# Altium PCB old PT1000_16CH.PCBDOC (part 4 of 5)
Units mil, origin at the board's own origin, x right, y up, seen from the top; angles counter-clockwise.
Board outline 8409.08 x 3937.01 mil, 4 copper layers (TOP, G1, L2, BOT), stack 61.024 mil thick; 557 components, 501 nets, 2175 pads, 416 vias.
Unrouted connection lines stored in the file: 636.
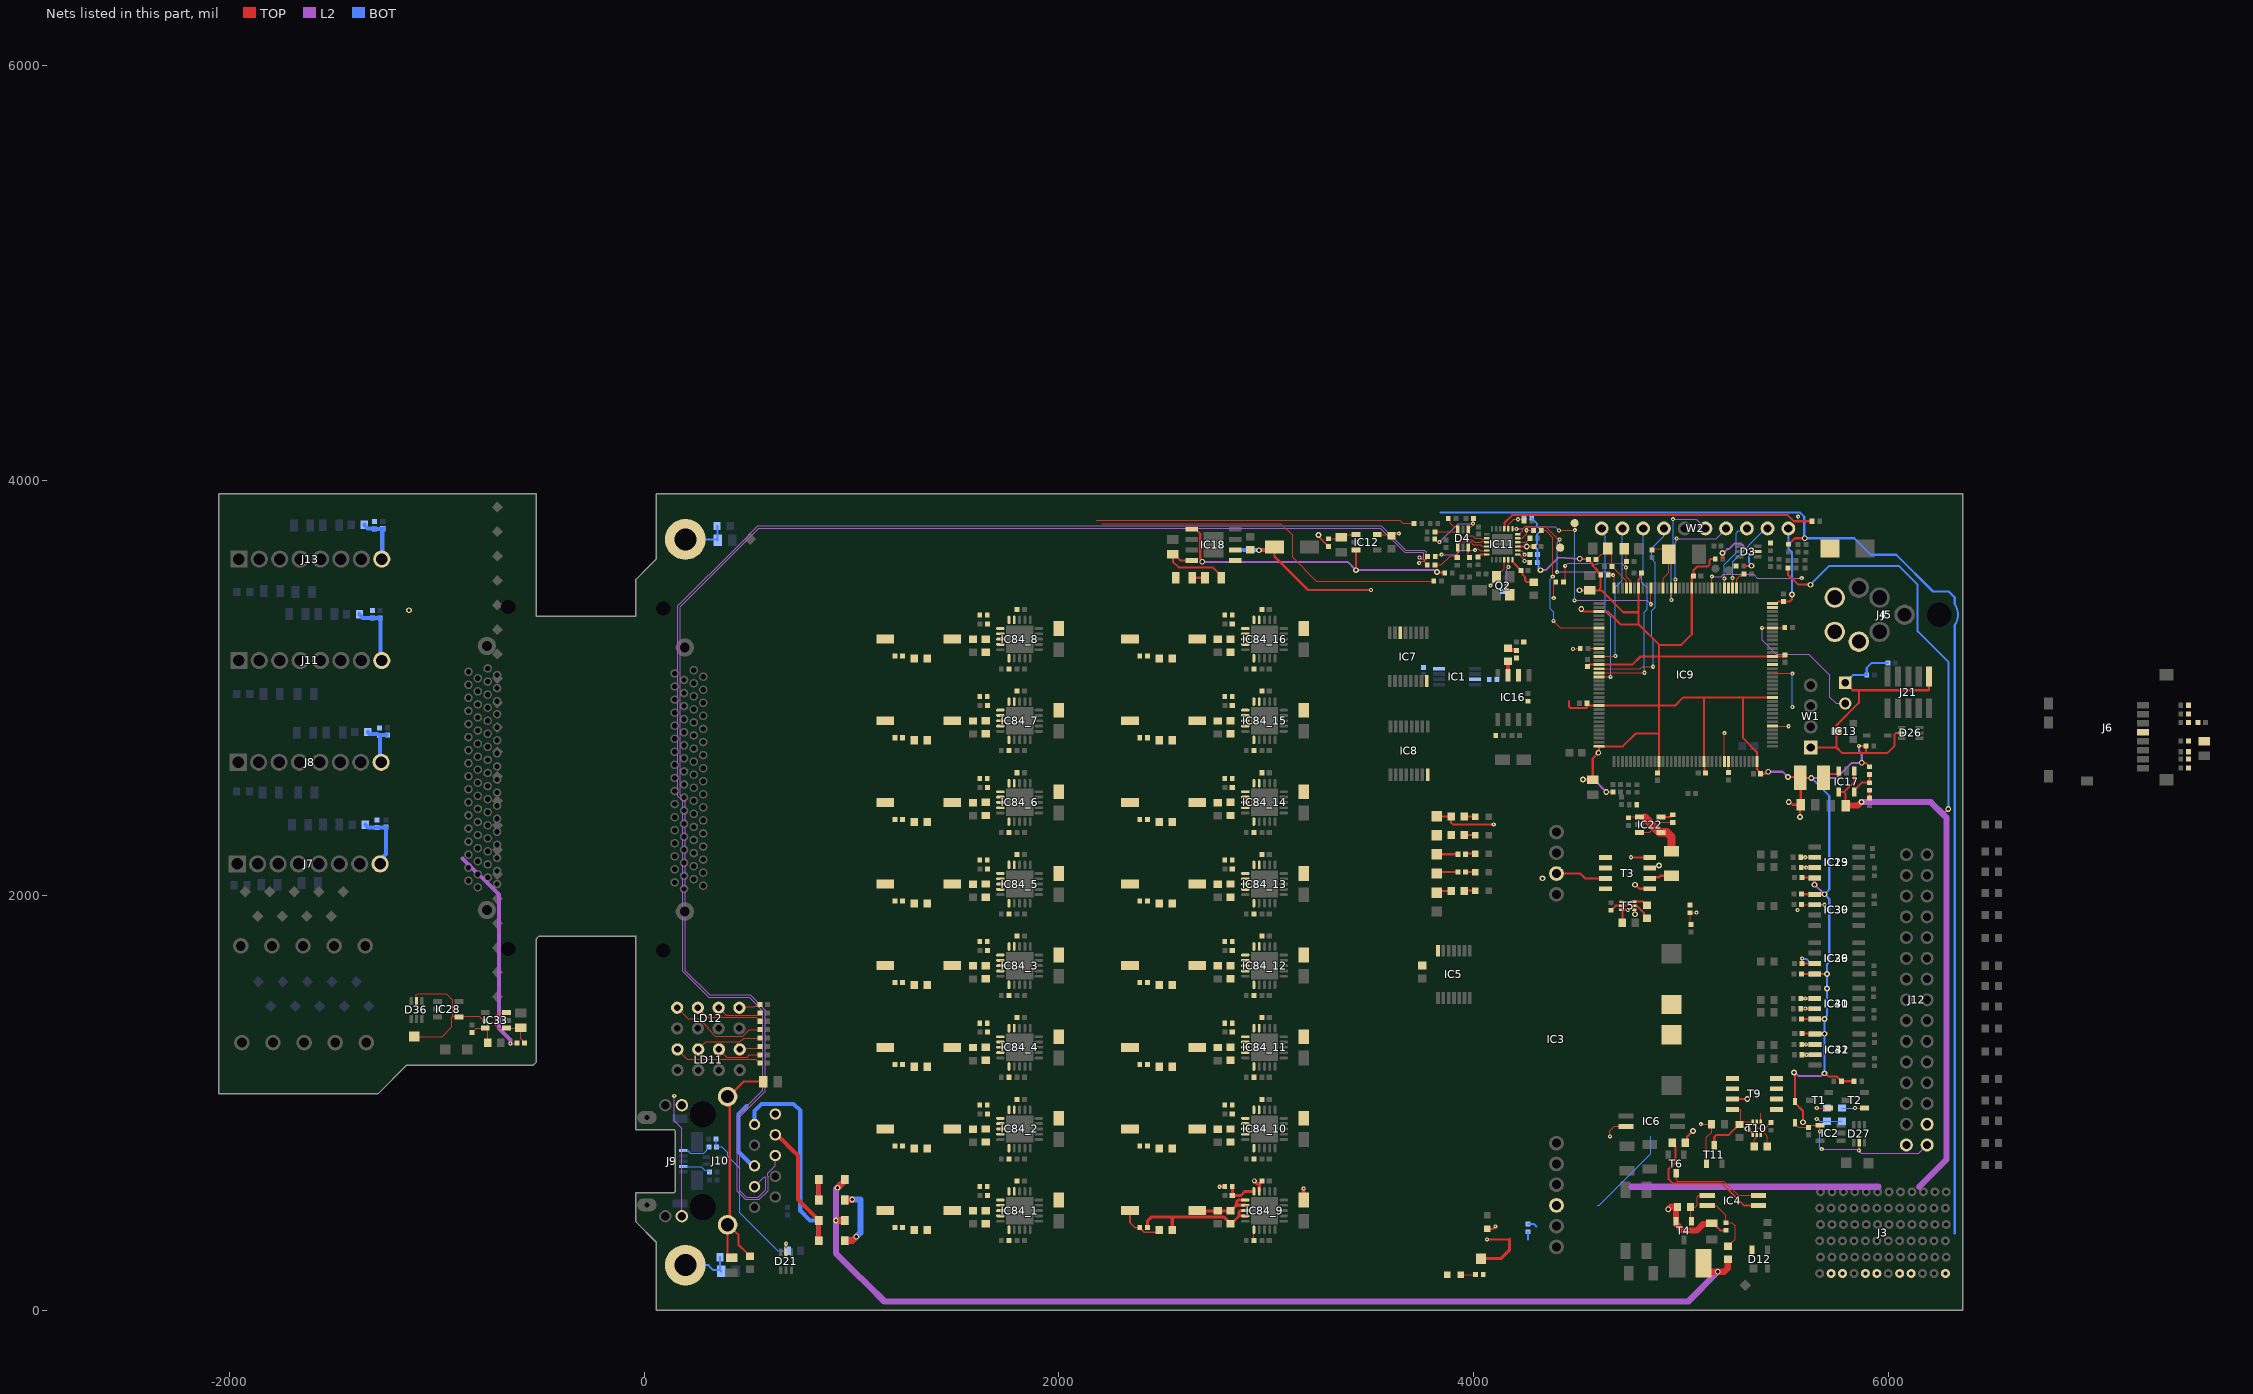
[diagram p6: the nets of this part, all layers, seen from the top]

## Via types
v1: diameter 19.68, hole 7.87, TOP to BOT, tented both sides, 335 vias
v2: diameter 27.56, hole 15.75, TOP to BOT, tented both sides, 56 vias
v3: diameter 23.62, hole 11.81, TOP to BOT, 10 vias
v4: diameter 19.68, hole 7.87, TOP to BOT, 5 vias
v5: diameter 23.62, hole 11.81, TOP to BOT, tented both sides, 5 vias
v6: diameter 25.98, hole 12.99, TOP to BOT, tented both sides, 5 vias

## Nets (pads, with @x,y where several pads share a name; then routed paths per layer and width w, separated by ;. In a path a pad name is that pad's centre, name@x,y a point inside that pad or via, vN(x,y) a via of type N, cw(c..) or ccw(c..) an arc to the next point about the centre after c; other vN are vias at no path point) (continued)
NetC22_1: C22.1 IC9.24 Q1.2 | length 269.4
  TOP w5: C22.1@4859.66,3665.62 4865.3,3671.26 4897.2,3671.26 4915.4,3671.26 Q1.2@4941.62,3645.05 4940.94,3644.38 4940.94,3555.12 4914.48,3528.65 IC9.24@4914.48,3482.03
NetC23_1: C23.1 C28.2 IC9.33 L5.1 | length 307.4
  TOP w5: L5.1@4591.05,3620.12 4619.48,3648.54 4641.39,3648.54 C28.2@4651.36,3658.51 ; C28.2@4646.53,3673.27 4651.36,3668.45 C28.2@4651.36,3658.51 ; IC9.33@4737.32,3482.03 4737.32,3516.49 C23.1@4667.2,3586.61 4667.2,3642.67 4666.67,3643.19 4666.67,3647.23 4655.39,3658.51 C28.2@4651.36,3658.51
NetC24_1: C24.1 C25.2 IC9.32 R70.1 | length 593
  TOP w5: R70.1@4433.88,3510.83 4441.87,3518.82 v1(4441.87,3589.57) ; C25.2@4726.42,3671.71 4737.32,3660.82 4737.32,3611.49 4734.58,3608.76 v1@4734.58,3583.66 ; v1(4734.58,3581.8) 4737.32,3579.06 4737.32,3537.4 4757,3517.72 IC9.32@4757,3482.03
  L2 w5: v1(4441.87,3589.57) 4454.8,3602.49 4458.94,3602.49 4562.41,3601.2 4585.87,3598.17 ccw(c4588.54,3619.28) 4600.87,3601.94 4712.68,3603.69 v1(4734.58,3581.8)
NetC27_1: C27.1 R96.2 | length 37
  TOP w20: R96.2@4172.83,3186.42 4174.8,3186.42 4177.91,3183.31 4205.47,3183.31 C27.1@4207.68,3181.1
NetC36_2: C36.2 IC11.4 Q2.3 | length 202.5
  TOP w5: v1(4082.4,3494.09) 4093.57,3505.27 4093.57,3519.96 Q2.3@4111.01,3537.4 4111.01,3542.32 4131.15,3562.46 4135.35,3562.46 4148.41,3575.52 IC11.4@4148.41,3618.11
  BOT w5: v1@4086.41,3498.04 C36.2@4120.85,3532.48
NetC64_1: C64.1 IC9.6 | length 90.1
  TOP w5: IC9.6@5268.81,3482.03 5268.81,3525.07 5284.72,3540.98 5295.52,3540.98 C64.1@5305.23,3550.68
NetC65_2: C65.2 IC11.5 Q2.1 | length 214.3
  TOP w5: v1(4160.14,3494.09) 4160.14,3464.65 Q2.1@4174,3450.79 ; v1(4168.1,3583.86) IC11.5@4168.1,3618.11
  L2 w5: v1(4160.14,3494.09) 4160.14,3571.93 4168.1,3579.88 v1(4168.1,3583.86)
  BOT w5: C65.2@4139.35,3464.78 4157.33,3482.76 4157.33,3491.28 v1(4160.14,3494.09)
NetC87_2: C87.2 C100.2 IC11.6 | length 169.2
  TOP w10: IC11.6@4187.78,3618.11 4188.3,3617.6 4188.3,3609.53 4204.61,3593.21 4204.61,3591.44 4235.34,3560.71 4235.34,3548.37 4249.48,3534.23 4249.48,3518.14 4256.8,3510.83 C87.2@4290.15,3510.83
NetC102_1: C102.1 C103.1 J10.S1 J10.S2 R135.2 | length 1200.9
  TOP w10: J10.S2@403.12,412.01 403.12,268.11 418.79,252.44 C102.1@423.4,252.44 ; J10.S2@403.12,415.95 410.8,408.27 J10.S2@413.54,405.52 ; R135.2@511.81,259.84 509.84,259.84 497.13,272.56 497.13,274.53 454.61,317.04 454.61,364.45 J10.S2@413.54,405.52 ; C103.1@574.8,1102.36 479.69,1102.36 403.12,1025.79 413.54,1015.36 J10.S2@413.54,405.52
NetC109_2: C109.2 D21.5 FB1.1 R73.2 | length 795
  TOP w5: D21.5@685.04,279.53 685.04,320.26 v1(685.19,320.41)
  BOT w5: C109.2@347.34,825 348.72,823.62 FB1.1@348.72,787.6 375.79,787.6 404.24,759.14 404.24,742.52 461.39,685.37 461.39,469.64 644.61,286.42 R73.2@691.93,286.42 ; R73.2@685.19,291.23 v1(685.19,320.41)
NetC112_1: C112.1 IC18.8 R105.2 | length 389.6
  TOP w10: C112.1@2550,3644 2550,3610 2577.72,3582.28 2741.95,3582.28 2783.37,3540.86 R105.2@2783.37,3532 ; C112.1@2565.45,3636.32 2585.83,3615.94 IC18.8@2641.73,3615.94
NetC114_1: C114.1 IC12.1 R124.2 | length 140.9
  TOP w5: R124.2@3300.75,3720.28 3356.01,3720.28 3376.22,3740.49 IC12.1@3433.3,3740.49
NetC128_2: C128.2 J7.8 L10.1 R155.2 | length 289.2
  BOT w19.68: R155.2@-1343.5,2341 -1343.5,2339.03 -1335.63,2331.16 -1333.66,2331.16 -1329.39,2326.89 L10.1@-1288,2326.89 -1247.39,2326.89 C128.2@-1245,2329.28 -1245,2200.45 -1272.57,2172.88 J7.8@-1272.57,2157.96
NetC129_2: C129.2 J8.8 L11.1 R161.2 | length 214.4
  BOT w19.68: R161.2@-1331.5,2789 -1331.5,2787.03 -1323.63,2779.16 -1285.16,2779.16 L11.1@-1279,2773 ; J8.8@-1272,2655 -1272.64,2655.64 -1272.64,2769.92 -1274.61,2771.89 L11.1@-1275,2771.89 -1273.03,2773.86 -1243.14,2773.86 C129.2@-1241,2776
NetC130_2: C130.2 J11.8 L12.1 R166.2 | length 310.2
  BOT w19.68: R166.2@-1372.01,3356 -1372.01,3354.03 -1356.26,3338.28 C130.2@-1273,3338.28 -1270.64,3335.92 -1270.64,3145.02 J11.8@-1264.67,3139.06
NetC131_2: C131.2 J13.8 L13.1 R180.2 | length 249.7
  BOT w19.68: R180.2@-1348.5,3788 -1348.5,3786.03 -1332.33,3769.86 -1301.97,3769.86 L13.1@-1300,3767.89 C131.2@-1260.39,3767.89 ; C131.2@-1260,3768.28 C131.2@-1260.39,3767.89 ; J13.8@-1256,3626 -1262.31,3632.31 -1262.31,3765.97 C131.2@-1260.39,3767.89 ; C131.2@-1255,3770 -1257.11,3767.89 C131.2@-1260.39,3767.89
NetC139_1: C139.1 IC33.1 IC33.3 R218.2 | length 315.4
  TOP w5: IC33.3@-663.23,1435.04 -700.96,1435.04 -716,1420 -716,1371 -705.24,1360.24 IC33.1@-663.23,1360.24 -596.3,1360.24 C139.1@-594.33,1362.2 -594.33,1308.66 -575.83,1290.16 R218.2@-575.83,1289.37
NetC160_1: C160.1 R220.2 ST1.1 | length 228.6
  BOT w10: ST1.1@199.06,3717 351.38,3717 C160.1@355.31,3713.06 355.31,3779.17 R220.2@352.07,3782.42
NetC161_1: C161.1 R223.2 ST1.0 | length 248.2
  BOT w10: ST1.0@199.06,217 309.58,217 333.66,192.91 365.72,192.91 C161.1@366.41,192.23 ; R223.2@366.41,255.4 C161.1@366.41,192.23 ; C161.1@371.62,187.01 C161.1@366.41,192.23
NetC226_1_2: C226_1.2 IC84_1.20 L2_1.1
NetC226_2_2: C226_2.2 IC84_2.20 L2_2.1
NetC226_3_2: C226_3.2 IC84_3.20 L2_3.1
NetC226_4_2: C226_4.2 IC84_4.20 L2_4.1
NetC226_5_2: C226_5.2 IC84_5.20 L2_5.1
NetC226_6_2: C226_6.2 IC84_6.20 L2_6.1
NetC226_7_2: C226_7.2 IC84_7.20 L2_7.1
NetC226_8_2: C226_8.2 IC84_8.20 L2_8.1
NetC226_9_2: C226_9.2 IC84_9.20 L2_9.1 | length 157.7
  TOP w15: L2_9.1@2837.91,597.87 2837.26,597.22 2837.26,553.8 C226_9.2@2836.61,553.15 2878.63,553.15 2898.32,572.83 IC84_9.20@2940.94,572.83
NetC226_10_2: C226_10.2 IC84_10.20 L2_10.1
NetC226_11_2: C226_11.2 IC84_11.20 L2_11.1
NetC226_12_2: C226_12.2 IC84_12.20 L2_12.1
NetC226_13_2: C226_13.2 IC84_13.20 L2_13.1
NetC226_14_2: C226_14.2 IC84_14.20 L2_14.1
NetC226_15_2: C226_15.2 IC84_15.20 L2_15.1
NetC226_16_2: C226_16.2 IC84_16.20 L2_16.1
NetFB1_2: FB1.2 J9.1 | length 149.9
  BOT w5: J9.1@188.98,769.69 215.95,769.69 218.88,766.76 218.88,760.67 223.27,756.28 288.54,756.28 303.19,770.93 303.19,778.29 FB1.2@312.5,787.6
NetFB2_2: FB2.2 J9.4 | length 138.2
  BOT w5: J9.4@188.98,692.91 276.35,692.91 293.22,676.04 306.63,676.04 315.94,666.73 FB2.2@315.94,666.34
NetIC1_3: IC1.3 R5.2 R6.1 | length 259.4
  TOP w5: 5441.06,3073.56 5442.9,3071.72 5535.93,3071.72 v1(5537.78,3069.88)
  BOT w5: v1(5537.78,2908.68) v1(5537.78,3069.88)
NetIC3_3: IC3.3 IC6.2 | length 558.6
  TOP w5: v1(4658.15,838) 4658.15,865.25 4679.37,886.48 IC6.2@4735.54,886.48
  BOT w5: 4596.85,505.24 4606.18,505.24 4855,754.06 4855,838
NetIC4_1: IC4.1 R16.1 | length 684
  TOP w10: R16.1@4958.01,807.17 4958.01,805.2 4974.82,788.4 4974.82,713.52 4939.59,678.29 4939.59,634.26 4963.67,610.18 5167.77,610.18 5198.74,610.18 5304.92,504 IC4.1@5375.17,504
NetIC4_2: IC4.2 T6.3 | length 460
  TOP w5: T6.3@4976.98,660.07 4976.98,629.59 4983.57,623 5206.9,623 5275.9,554 IC4.2@5375.17,554
NetIC4_3: IC4.3 R66.2 T4.1 | length 199.2
  TOP w5: T4.1@5051.78,429.13 5046.56,434.36 R66.2@5046.56,497.92 5071.78,497.92 5078.96,505.11 5078.96,546.82 5086.15,554 IC4.3@5127.13,554
NetIC4_4: IC4.4 R14.1 R35.2 | length 310.2
  TOP w5: IC4.4@5127.13,504 5171.05,504 5216.54,458.52 R35.2@5216.54,422.05 5246.1,422.05 5261.15,407 5261.15,342.73 5243.56,325.15 5243.56,323.18 5228.35,307.96 R14.1@5226.38,307.96
NetIC9_48: IC9.48 R32.1 | length 89.2
  TOP w5: v1(4479.8,3188.37) 4480.03,3188.13 4494.21,3188.13 4497.75,3191.67 R32.1@4515.07,3191.67 ; 4552.08,3191.67 IC9.48@4604.44,3191.67
NetIC9_101: IC9.101 R34.1 | length 52.2
  TOP w5: R34.1@5229.44,2593.25 IC9.101@5229.44,2645.41
NetIC9_114: IC9.114 R197.2 T11.1 | length 331.9
  TOP w5: v1(5096.47,897.01) R197.2@5147.64,897.01 5147.64,895.04 5147.64,858.88 5123.5,834.75 T11.1@5123.5,705.56 ; IC9.114@5441.06,2817.66 5441.85,2816.86 5518.89,2816.86 v1(5519.69,2816.06)
NetIC9_138: IC9.138 JP2.2 R63.1 | length 757.8
  TOP w5: v1(5391.77,3290.1) IC9.138@5441.06,3290.1 5499.94,3290.1 R63.1@5501.18,3291.34
  L2 w5: v1(5391.77,3290.1) 5391.77,3230.28 5458.66,3163.39 5616.26,3163.39 5718.37,3061.28 5718.37,2956.83 5749.17,2926.02 JP2.2@5792.58,2926.02
NetIC11_7: IC11.7 R21.2 R24.2 | length 105.1
  TOP w5: IC11.7@4213.37,3643.7 4221.44,3643.7 4243.04,3622.1 4243.04,3619.93 4246.97,3616 4249.14,3616 4252,3613.15 4264.79,3613.15 R24.2@4271.64,3606.3
  BOT w5: v1(4245.85,3613.15) 4247.72,3615.02 4261.74,3615.02 4270.66,3606.1 R21.2@4270.66,3605.32
NetIC11_8: IC11.8 R20.2 R23.2 | length 89.4
  TOP w5: IC11.8@4213.37,3663.39 4232.49,3663.39 4243.24,3652.63 4243.24,3650.48 4246.97,3646.76 v1@4249.11,3646.76 ; v1@4252.17,3643.7 R23.2@4271.88,3643.7
  BOT w5: v1(4246.05,3643.7) R20.2@4271.88,3643.7
NetIC11_10: IC11.10 R25.1 | length 67.1
  TOP w5: IC11.10@4213.37,3702.76 4246.58,3702.76 4249.49,3705.67 4255.89,3705.67 4271.88,3721.65 R25.1@4271.88,3722.44
NetIC11_11: IC11.11 R22.2 R27.2 | length 136.2
  TOP w5: IC11.11@4213.37,3722.44 4234.46,3722.44 4255.67,3743.66 4255.67,3759.4 v1@4256.99,3760.71 ; v1(4256,3761) 4289.85,3761 R27.2@4290.15,3760.71
  BOT w5: v1(4256,3761) 4288.87,3761 R22.2@4289.16,3760.71
NetIC11_14: IC11.14 R29.2 R99.2 | length 140.9
  TOP w5: IC11.14@4168.1,3767.72 4168.1,3788.8 4193.46,3814.16 4235.96,3814.16 R29.2@4243.24,3806.89
  BOT w5: v1(4214.77,3814.16) 4236.73,3814.16 R99.2@4243.24,3820.67
NetIC11_24: IC11.24 R26.1 | length 47.3
  TOP w10: R26.1@4021.45,3631.69 4022.23,3631.69 4034.24,3643.7 IC11.24@4063.77,3643.7
NetIC16_7: IC16.7 R96.1 | length 68.7
  TOP w20: R96.1@4166.34,3129.92 4166.34,3061.93 IC16.7@4166.8,3061.46
NetIC17_3: IC17.3 L8.1 | length 109
  TOP w10: L8.1@5685.88,2547.79 5685.88,2560.75 5711.4,2586.26 5751.91,2586.26 5758.72,2593.07 IC17.3@5758.72,2602.91
NetIC17_5: IC17.5 R102.1 R103.2 | length 138.8
  TOP w10: IC17.5@5836.09,2498.19 5836.09,2508.03 5872.2,2544.14 R103.2@5910.44,2544.14 R102.1@5910.44,2583.82
NetIC19_6: IC19.6 IC23.3 R110.2 | length 104.4
  TOP w5: R110.2@5577.97,2184.27 v1(5599.78,2184.27) ; v1@5604.1,2184.29 IC19.6@5645.42,2184.29
  BOT w5: v1@5604.1,2184.29 IC23.3@5645.42,2184.29
NetIC19_7: IC19.7 IC23.2 R108.2 | length 106.1
  TOP w10: R108.2@5580.61,2134.29 v1(5604.1,2134.29) IC19.7@5645.42,2134.29
  BOT w10: v1(5604.1,2134.29) IC23.2@5645.42,2134.29
NetIC22_1: IC22.1 R141.1 R154.2 | length 48.2
  TOP w5: R154.2@4747.16,2374.73 4751.59,2379.16 4790.09,2379.16 IC22.1@4787.69,2381.56
NetIC22_3: IC22.3 R131.1 | length 179.3
  TOP w5: IC22.3@4801.18,2304.36 4850.99,2304.36 4899.03,2352.39 R131.1@4960.63,2352.39
NetIC29_7: IC29.7 IC36.2 R112.2 | length 156.5
  TOP w10: v1(5584.46,1696.25) R112.2@5584.46,1671.79 IC29.7@5645.41,1671.79
  BOT w10: v1(5584.46,1696.25) 5586.32,1694.4 5604.1,1694.4 5626.71,1671.79 IC36.2@5645.41,1671.79
NetIC30_2: IC30.2 IC39.7 R113.2 | length 158.6
  TOP w5: R113.2@5581.95,1955.38 IC30.2@5645.41,1955.38 ; IC30.2@5645.41,1955.38 v1(5693,1955.37)
  BOT w5: IC39.7@5645.42,1955.37 v1(5693,1955.37)
NetIC31_6: IC31.6 IC40.3 R117.2 | length 108.8
  TOP w10: R117.2@5582.28,1503.79 v1(5599.78,1503.79) IC31.6@5645.41,1503.79
  BOT w10: v1(5599.78,1503.79) IC40.3@5645.41,1503.79
NetIC31_7: IC31.7 IC40.2 R115.2 | length 110.3
  TOP w10: R115.2@5579.79,1453.79 v1@5600,1453.79 ; v1@5601.21,1453.79 IC31.7@5645.41,1453.79
  BOT w10: v1(5600,1455) 5601.21,1453.79 IC40.2@5645.41,1453.79
NetIC32_2: IC32.2 IC41.7 R118.2 | length 106
  TOP w5: R118.2@5582.28,1281.89 v1@5604,1281.89 ; v1@5605.11,1281.89 IC32.2@5646.65,1281.89
  BOT w5: v1(5604,1282) 5604.11,1281.89 IC41.7@5646.65,1281.89
NetIC32_3: IC32.3 IC41.6 R123.2 | length 102.9
  TOP w5: R123.2@5584.46,1231.89 IC32.3@5646.65,1231.89
  BOT w5: v1(5606,1232) 5606.11,1231.89 IC41.6@5646.65,1231.89
NetIC84_1_1: IC84_1.1 IC84_1.2 R350_1.1 R351_1.1 SW1_1.1
NetIC84_1_3: IC84_1.3 IC84_1.4 R348_1.1 R349_1.1 R350_1.2
NetIC84_1_6: IC84_1.6 R36_1.2
NetIC84_2_1: IC84_2.1 IC84_2.2 R350_2.1 R351_2.1 SW1_2.1
NetIC84_2_3: IC84_2.3 IC84_2.4 R348_2.1 R349_2.1 R350_2.2
NetIC84_2_6: IC84_2.6 R36_2.2
NetIC84_3_1: IC84_3.1 IC84_3.2 R350_3.1 R351_3.1 SW1_3.1
NetIC84_3_3: IC84_3.3 IC84_3.4 R348_3.1 R349_3.1 R350_3.2
NetIC84_3_6: IC84_3.6 R36_3.2
NetIC84_4_1: IC84_4.1 IC84_4.2 R350_4.1 R351_4.1 SW1_4.1
NetIC84_4_3: IC84_4.3 IC84_4.4 R348_4.1 R349_4.1 R350_4.2
NetIC84_4_6: IC84_4.6 R36_4.2
NetIC84_5_1: IC84_5.1 IC84_5.2 R350_5.1 R351_5.1 SW1_5.1
NetIC84_5_3: IC84_5.3 IC84_5.4 R348_5.1 R349_5.1 R350_5.2
NetIC84_5_6: IC84_5.6 R36_5.2
NetIC84_6_1: IC84_6.1 IC84_6.2 R350_6.1 R351_6.1 SW1_6.1
NetIC84_6_3: IC84_6.3 IC84_6.4 R348_6.1 R349_6.1 R350_6.2
NetIC84_6_6: IC84_6.6 R36_6.2
NetIC84_7_1: IC84_7.1 IC84_7.2 R350_7.1 R351_7.1 SW1_7.1
NetIC84_7_3: IC84_7.3 IC84_7.4 R348_7.1 R349_7.1 R350_7.2
NetIC84_7_6: IC84_7.6 R36_7.2
NetIC84_8_1: IC84_8.1 IC84_8.2 R350_8.1 R351_8.1 SW1_8.1
NetIC84_8_3: IC84_8.3 IC84_8.4 R348_8.1 R349_8.1 R350_8.2
NetIC84_8_6: IC84_8.6 R36_8.2
NetIC84_9_1: IC84_9.1 IC84_9.2 R350_9.1 R351_9.1 SW1_9.1 | length 306.9
  TOP w15: SW1_9.1@2668.22,478.23 2765.75,478.23 R351_9.1@2766.79,479.27 2828.74,479.27 2829.67,479.27 2830.71,480.31 2832.68,480.31 2842.89,490.53 2842.89,492.36 2856.44,505.91 ; IC84_9.2@2899.61,505.91 2856.44,505.91 ; IC84_9.1@2899.61,531.5 2866.24,531.5 2857.45,522.71 2857.45,506.92 2856.44,505.91
NetIC84_9_3: IC84_9.3 IC84_9.4 R348_9.1 R349_9.1 R350_9.2 | length 649.8
  TOP w15: R349_9.1@2428.05,398.44 2428.05,431.41 2445.37,448.74 2543.23,448.74 2797.32,448.74 R350_9.2@2828.74,417.32 2830.71,417.32 2832.68,417.32 2869.47,454.11 2869.47,471.83 2877.95,480.31 IC84_9.3@2899.61,480.31 ; R348_9.1@2547.02,386.52 2547.02,444.94 ; 2869.47,454.72 IC84_9.4@2899.61,454.72
NetIC84_9_6: IC84_9.6 R36_9.2 | length 52
  TOP w6: R36_9.2@2940.94,335.83 IC84_9.6@2940.94,387.8
NetIC84_10_1: IC84_10.1 IC84_10.2 R350_10.1 R351_10.1 SW1_10.1
NetIC84_10_3: IC84_10.3 IC84_10.4 R348_10.1 R349_10.1 R350_10.2
NetIC84_10_6: IC84_10.6 R36_10.2
NetIC84_11_1: IC84_11.1 IC84_11.2 R350_11.1 R351_11.1 SW1_11.1
NetIC84_11_3: IC84_11.3 IC84_11.4 R348_11.1 R349_11.1 R350_11.2
NetIC84_11_6: IC84_11.6 R36_11.2
NetIC84_12_1: IC84_12.1 IC84_12.2 R350_12.1 R351_12.1 SW1_12.1
NetIC84_12_3: IC84_12.3 IC84_12.4 R348_12.1 R349_12.1 R350_12.2
NetIC84_12_6: IC84_12.6 R36_12.2
NetIC84_13_1: IC84_13.1 IC84_13.2 R350_13.1 R351_13.1 SW1_13.1
NetIC84_13_3: IC84_13.3 IC84_13.4 R348_13.1 R349_13.1 R350_13.2
NetIC84_13_6: IC84_13.6 R36_13.2
NetIC84_14_1: IC84_14.1 IC84_14.2 R350_14.1 R351_14.1 SW1_14.1
NetIC84_14_3: IC84_14.3 IC84_14.4 R348_14.1 R349_14.1 R350_14.2
NetIC84_14_6: IC84_14.6 R36_14.2
NetIC84_15_1: IC84_15.1 IC84_15.2 R350_15.1 R351_15.1 SW1_15.1
NetIC84_15_3: IC84_15.3 IC84_15.4 R348_15.1 R349_15.1 R350_15.2
NetIC84_15_6: IC84_15.6 R36_15.2
NetIC84_16_1: IC84_16.1 IC84_16.2 R350_16.1 R351_16.1 SW1_16.1
NetIC84_16_3: IC84_16.3 IC84_16.4 R348_16.1 R349_16.1 R350_16.2
NetIC84_16_6: IC84_16.6 R36_16.2
NetJ10_L1: J10.L1 R17.2 | length 1538.8
  TOP w5: 2181.1,3809.55 3643.27,3809.55 3658.58,3794.24 R17.2@3713.55,3794.24
NetJ10_L3: J10.L3 R11.2 | length 2374.4
  TOP w5: 2207.74,3793.46 3071.61,3793.46 3127.48,3737.59 3127.48,3630.28 3242.01,3515.75 R11.2@3808.27,3515.75
  L2 w5: v1(145.67,1033.46) 145.23,1033.02 145.23,914.73 182.65,877.31 J10.L3@182.65,453.15
NetLD1_1: LD1.1 R6.2 | length 72.4
  TOP w5: LD1.1@3937.71,171.4 4010.09,171.39
NetLD2_2: LD2.2 R90.1 | length 89.3
  TOP w10: LD2.2@4065.82,391.84 4093.48,391.84 4105.72,404.08 v1(4105.64,404.08)
  BOT w10: R90.1@4262.8,415.16 4291.42,415.16 4302.49,404.08
NetLD3_2: LD3.2 R94.2 | length 52.2
  TOP w10: R94.2@3955.37,2291.53 3955.67,2291.23 LD3.2@4007.42,2291.23
NetLD4_2: LD4.2 R100.2 | length 45.8
  TOP w10: R100.2@3961.67,2112.29 3961.81,2112.43 LD4.2@4007.42,2112.43
NetLD6_2: LD6.2 R10.2 | length 52.2
  TOP w10: R10.2@3955.37,2380.93 3955.67,2380.63 LD6.2@4007.42,2380.63
NetLD9_2: LD9.2 R39.2 | length 47.1
  TOP w10: R39.2@3961.67,2198.64 3964.85,2201.83 LD9.2@4007.42,2201.83
NetLD10_2: LD10.2 R54.2 | length 52.7
  TOP w10: R54.2@3955.37,2021.4 3956.99,2023.03 LD10.2@4007.42,2023.03
NetLD11_2: LD11.2 R143.2 | length 425.5
  TOP w5: LD11.2@161.39,1257.72 208.41,1210.69 539.33,1210.69 549.14,1200.88 549.93,1200.88 558.85,1191.97 R143.2@558.85,1191.18
NetLD11_4: LD11.4 R144.2 | length 320.1
  TOP w5: LD11.4@261.39,1257.72 298.41,1294.75 462.38,1294.75 480.1,1312.47 R144.2@558.85,1312.47
NetLD11_6: LD11.6 R145.2 | length 217.3
  TOP w5: LD11.6@361.39,1257.72 398.41,1220.69 497.13,1220.69 508.04,1231.61 R145.2@558.85,1231.61
NetLD11_8: LD11.8 R146.2 | length 103.1
  TOP w5: LD11.8@461.39,1257.72 466,1262.34 549.93,1262.34 R146.2@558.85,1271.25
NetLD12_2: LD12.2 R147.2 | length 471.5
  TOP w5: LD12.2@159.84,1458.72 213.83,1404.73 266.2,1404.73 309.84,1361.09 309.84,1356.36 344.51,1321.69 475.18,1321.69 506.39,1352.9 R147.2@558.85,1352.9
NetLD12_4: LD12.4 R148.2 | length 326.5
  TOP w5: LD12.4@259.84,1458.72 306.87,1411.69 540.48,1411.69 549.14,1403.04 549.93,1403.04 558.85,1394.12 R148.2@558.85,1393.33
NetLD12_6: LD12.6 R149.2 | length 219.8
  TOP w5: LD12.6@359.84,1458.72 396.87,1421.69 547.56,1421.69 558.85,1432.98 R149.2@558.85,1433.76
NetLD12_8: LD12.8 R150.2 | length 118.5
  TOP w5: LD12.8@459.84,1458.72 465.61,1464.49 531.5,1464.49 ; 531.5,1464.57 549.93,1464.57 R150.2@558.85,1473.48 ; R150.2@549.93,1464.49 558.85,1473.41 R150.2@558.85,1473.48 ; R150.2@558.85,1474.19 R150.2@558.85,1473.48
NetR1_1: R1.1 T1.1 | length 108
  TOP w5: v1(5655.01,975) T1.1@5713.58,975
  BOT w5: v1(5655.01,975) R1.1@5704.47,975
NetR2_1: R2.1 T2.1 | length 109
  TOP w5: v1(5839.31,975) T2.1@5885.32,975